# KiCad board rps01.kicad_pcb
title: Prototype Senior Design A; date: 2023-03-30; rev: 0
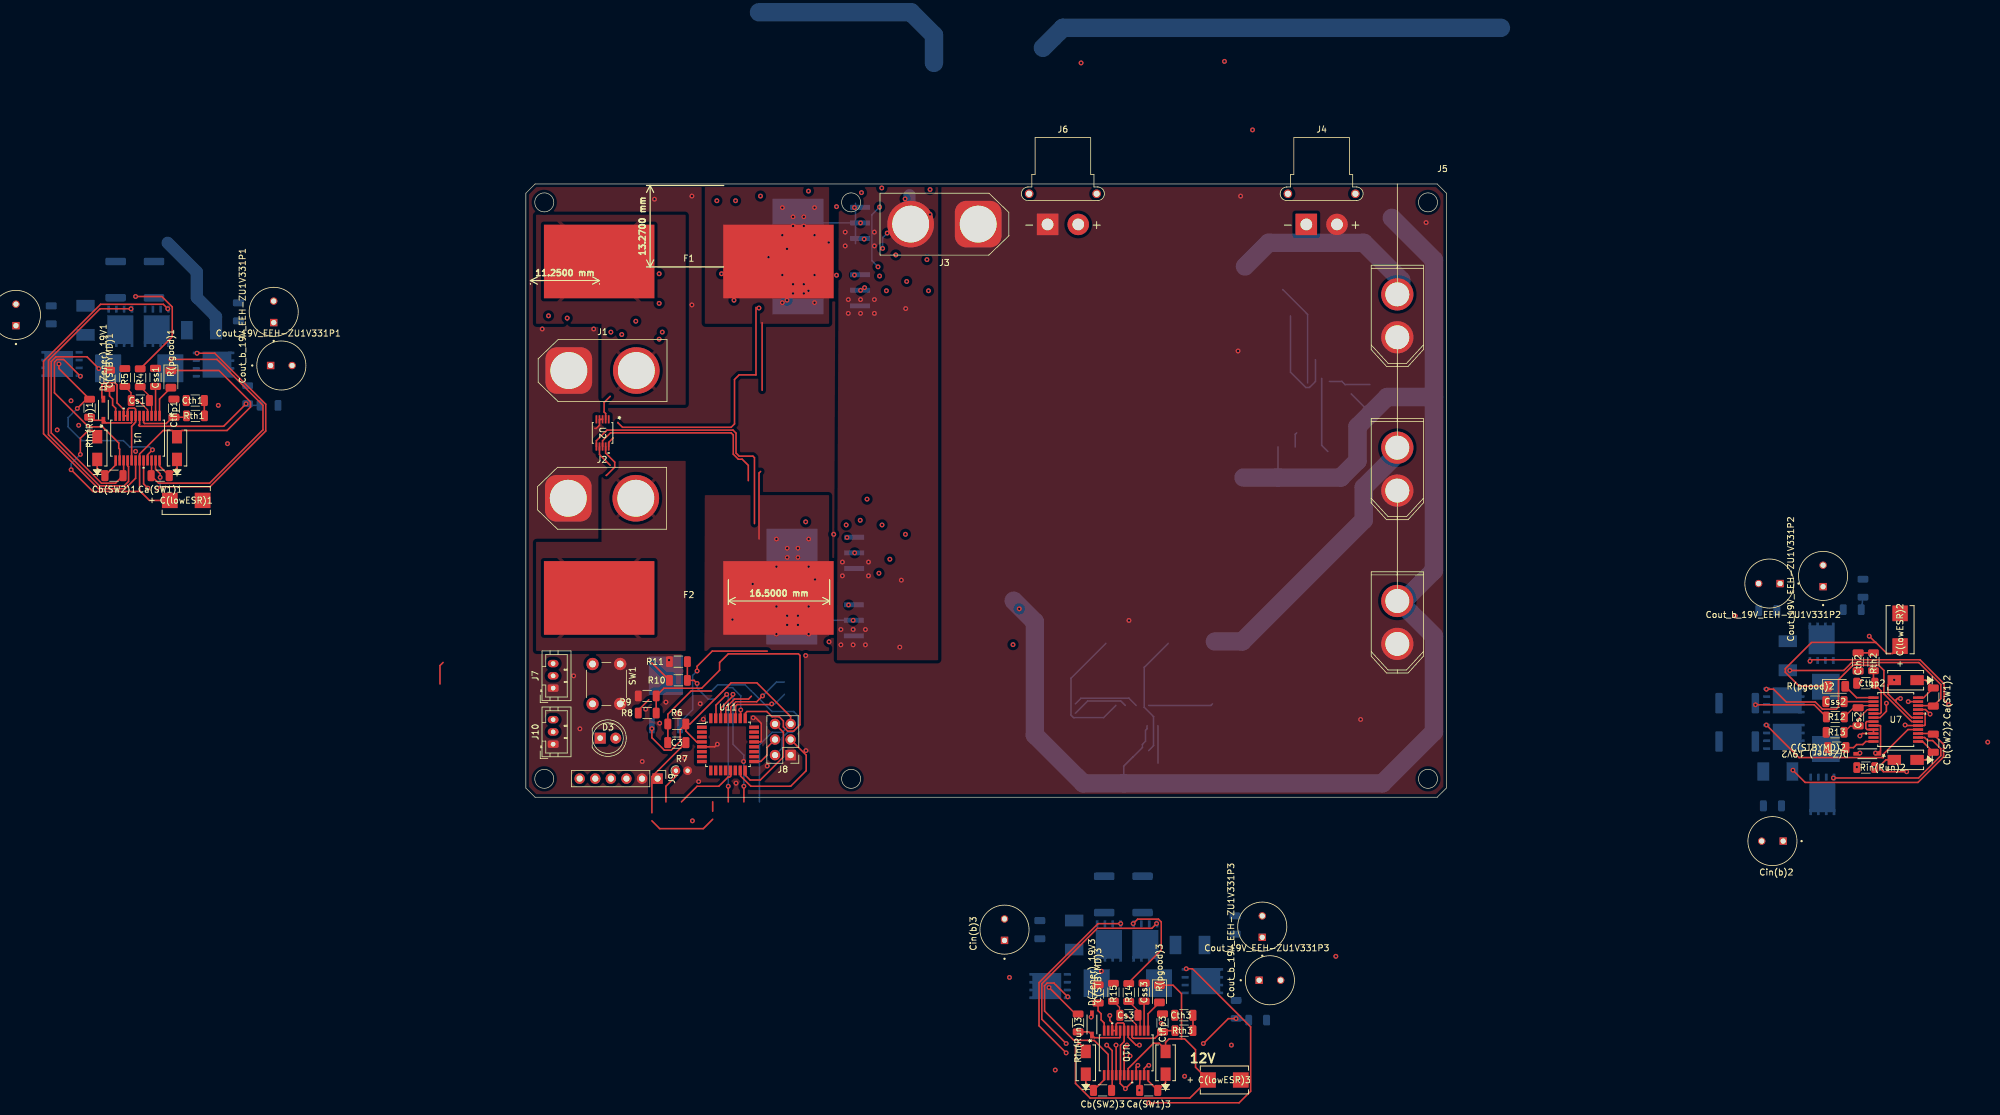
[diagram p0: board, top side]
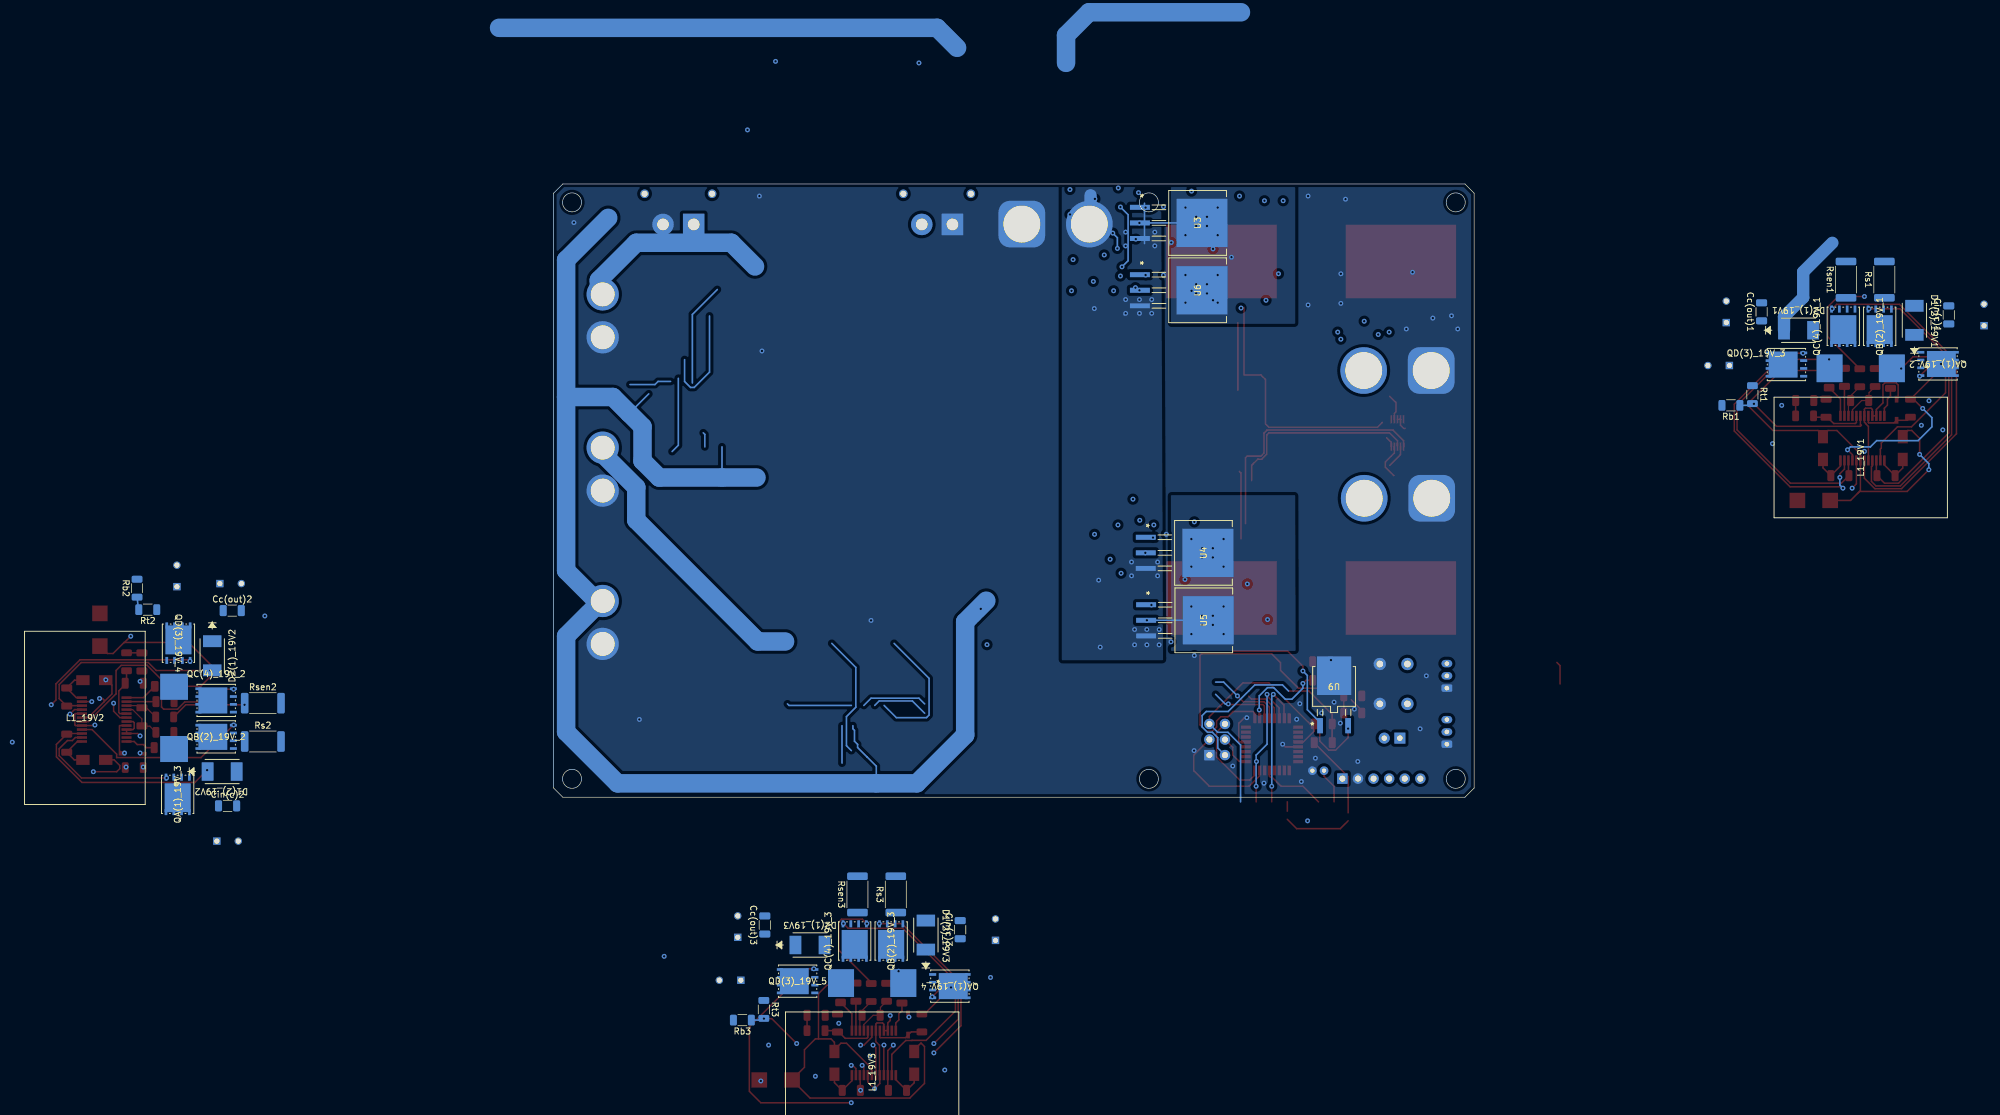
[diagram p1: board, bottom side, seen from below]

Outline 150 x 100 mm; copper layers: Top, Bottom. Coordinates in mm from the lower left corner of the outline.

## Placement (name value [footprint] x y rotation side)
C3  100nF  [C_1206_3216Metric]  24.6 8.9 0 top
C(lowESR)1  4.7u  [CAPMP7.6X4.3_3.1N_KEM]  -55.34 48.4 0 top
C(lowESR)2  4.7u  [CAPMP7.6X4.3_3.1N_KEM]  223.93 27.31 90 top
C(lowESR)3  4.7u  [CAPMP7.6X4.3_3.1N_KEM]  113.82 -46.11 0 top
C(STBYMD)1  0.001u  [C_1206_3216Metric]  -67.84 68.16 90 top
C(STBYMD)2  0.001u  [C_1206_3216Metric]  213.62 8.09 180 top
C(STBYMD)3  0.001u  [C_1206_3216Metric]  93.24 -32.08 90 top
Ca(SW1)1  0.22u  [C_1206_3216Metric]  -59.59 52.44 180 top
Ca(SW1)2  0.22u  [C_1206_3216Metric]  229.34 16.34 270 top
Ca(SW1)3  0.22u  [C_1206_3216Metric]  101.49 -47.81 180 top
Cb(SW2)1  0.22u  [C_1206_3216Metric]  -67.12 52.44 180 top
Cb(SW2)2  0.22u  [C_1206_3216Metric]  229.34 8.81 270 top
Cb(SW2)3  0.22u  [C_1206_3216Metric]  93.97 -47.81 180 top
Cc(out)1  47u  [C_1206_3216Metric]  -46.84 79.15 90 bottom
Cc(out)2  47u  [C_1206_3216Metric]  202.37 30.43 180 bottom
Cc(out)3  47u  [C_1206_3216Metric]  115.59 -20.83 90 bottom
Cin(b)1  270u  [LargeCAPSCAPPRD350W60D800H1200]  -83.09 78.65 90 top
Cin(b)2  270u  [LargeCAPSCAPPRD350W60D800H1200]  203.13 -7.16 180 top
Cin(b)3  270u  [LargeCAPSCAPPRD350W60D800H1200]  78 -21.6 90 top
Cin(c)1  10u  [C_1206_3216Metric]  -77.34 78.65 90 bottom
Cin(c)2  10u  [C_1206_3216Metric]  203.13 -1.41 180 bottom
Cin(c)3  10u  [C_1206_3216Metric]  83.75 -21.6 90 bottom
Cout_19V_EEH-ZU1V331P1  330u  [LargeCAPSCAPPRD350W60D800H1200]  -39.84 70.4 0 top
Cout_19V_EEH-ZU1V331P2  330u  [LargeCAPSCAPPRD350W60D800H1200]  211.38 36.09 90 top
Cout_19V_EEH-ZU1V331P3  330u  [LargeCAPSCAPPRD350W60D800H1200]  121.24 -29.85 0 top
Cout_b_19V_EEH-ZU1V331P1  330u  [LargeCAPSCAPPRD350W60D800H1200]  -41.09 79.15 90 top
Cout_b_19V_EEH-ZU1V331P2  330u  [LargeCAPSCAPPRD350W60D800H1200]  202.63 34.84 180 top
Cout_b_19V_EEH-ZU1V331P3  330u  [LargeCAPSCAPPRD350W60D800H1200]  120 -21.1 90 top
Cs1  100p  [C_1206_3216Metric]  -62.81 64.69 0 top
Cs2  100p  [C_1206_3216Metric]  217.09 13.11 90 top
Cs3  100p  [C_1206_3216Metric]  98.27 -35.56 0 top
Css1  0.001u  [C_1206_3216Metric]  -60.34 68.46 270 top
Css2  0.001u  [C_1206_3216Metric]  213.31 15.59 0 top
Css3  0.001u  [C_1206_3216Metric]  100.74 -31.78 270 top
Cth1  10000p  [C_1206_3216Metric]  -53.86 64.69 180 top
Cth2  10000p  [C_1206_3216Metric]  217.09 22.06 270 top
Cth3  10000p  [C_1206_3216Metric]  107.22 -35.56 180 top
Cthp1  47p  [C_1206_3216Metric]  -57.34 63.44 90 top
Cthp2  47p  [C_1206_3216Metric]  218.34 18.59 180 top
Cthp3  47p  [C_1206_3216Metric]  103.74 -36.81 90 top
D1(2)_19V1  SD2114S040S8R0  [SD2114_AVX]  -71.74 77.77 90 bottom
D1(2)_19V2  SD2114S040S8R0  [SD2114_AVX]  204.01 4.19 180 bottom
D1(2)_19V3  SD2114S040S8R0  [SD2114_AVX]  89.34 -22.48 90 bottom
D2(1)_19V1  SD2114S040S8R0  [SD2114_AVX]  -52.86 76.15 180 bottom
D2(1)_19V2  SD2114S040S8R0  [SD2114_AVX]  205.63 23.07 270 bottom
D2(1)_19V3  SD2114S040S8R0  [SD2114_AVX]  108.22 -24.1 180 bottom
D3  MCU_LED  [LED_D5.0mm]  12.11 9.64 0 top
D4_19V1  D_Schottky_B340AE-13  [CR_SMA_320-340AE_DIO]  -56.84 56.94 90 top
D4_19V2  D_Schottky_B340AE-13  [CR_SMA_320-340AE_DIO]  224.84 19.09 180 top
D4_19V3  D_Schottky_B340AE-13  [CR_SMA_320-340AE_DIO]  104.24 -43.31 90 top
D5_19V1  D_Schottky_B340AE-13  [CR_SMA_320-340AE_DIO]  -69.84 56.94 90 top
D5_19V2  D_Schottky_B340AE-13  [CR_SMA_320-340AE_DIO]  224.84 6.09 180 top
D5_19V3  D_Schottky_B340AE-13  [CR_SMA_320-340AE_DIO]  91.24 -43.31 90 top
D(Zener)_19V1  D_Zener_BZT52C4V7-13-F  [SOD123_DIO]  -68.84 63.19 90 top
D(Zener)_19V2  D_Zener_BZT52C4V7-13-F  [SOD123_DIO]  218.59 7.09 180 top
D(Zener)_19V3  D_Zener_BZT52C4V7-13-F  [SOD123_DIO]  92.24 -37.06 90 top
F1  -  [0PAL4100XP_NO_HOLES]  26.55 87.36 0 top
F2  -  [0PAL4100XP_NO_HOLES]  26.55 32.5 0 top
J1  XT90 IN BAT1  [AMASS_XT90-M_1x02_P11.00mm_Vertical]  7 69.58 0 top
J2  XT90 IN BAT2  [AMASS_XT90-M_1x02_P11.00mm_Vertical]  6.91 48.75 0 top
J3  XT90 ESC Output  [AMASS_XT90-F_1x02_P11.00mm_Vertical]  73.71 93.46 180 top
J4  XT30PW Out Orin  [AMASS_XT30PW-F_1x02_P2.50mm_Horizontal]  127.17 93.4 0 top
J5  3x XT60 Template  [V0_PC100_Power_Board_Ken]  0 100 0 top
J6  XT30PW Bat Out  [AMASS_XT30PW-F_1x02_P2.50mm_Horizontal]  85.01 93.4 0 top
J7  JST_PH_TEMP_SENSOR_DAT  [JST_PH_B3B-PH-K_1x03_P2.00mm_Vertical]  4.45 17.8 90 top
J8  MCU_ICSP_header  [PinHeader_2x03_P2.54mm_Vertical]  43.14 6.87 180 top
J9  MCU_prog_header  [PinHeader_1x06_P2.54mm_Vertical]  21.47 3.03 270 top
J10  JST_PH_MCU_I2C  [JST_PH_B3B-PH-K_1x03_P2.00mm_Vertical]  4.45 8.65 90 top
L1_19V1  6.8u Wurth 74436410680  [IND_410680_WRE]  -62.99 55.4 270 bottom
L1_19V2  10u Wurth  [IND_410680_WRE]  226.38 12.94 0 bottom
L1_19V3  10u Wurth  [IND_410680_WRE]  98.09 -44.85 270 bottom
QA(1)_19V_2  BSC009NE2LS5IATMA1  [PG-TDSON-8_INF_modified_ken]  -75.59 70.65 180 bottom
QA(1)_19V_3  BSC009NE2LS5IATMA1  [PG-TDSON-8_INF_modified_ken]  211.26 0.46 270 bottom
QA(1)_19V_4  BSC009NE2LS5IATMA1  [PG-TDSON-8_INF_modified_ken]  85.43 -30.8 180 bottom
QB(2)_19V_1  BSC009NE2LS5IATMA1  [PG-TDSON-8_INF_modified_ken]  -66.09 76.8 270 bottom
QB(2)_19V_2  BSC009NE2LS5IATMA1  [PG-TDSON-8_INF_modified_ken]  204.98 9.84 0 bottom
QB(2)_19V_3  BSC009NE2LS5IATMA1  [PG-TDSON-8_INF_modified_ken]  95 -23.45 270 bottom
QC(4)_19V_1  BSC009NE2LS5IATMA1  [PG-TDSON-8_INF_modified_ken]  -60.15 76.8 270 bottom
QC(4)_19V_2  BSC009NE2LS5IATMA1  [PG-TDSON-8_INF_modified_ken]  204.98 15.78 0 bottom
QC(4)_19V_3  BSC009NE2LS5IATMA1  [PG-TDSON-8_INF_modified_ken]  100.94 -23.45 270 bottom
QD(3)_19V_3  BSC009NE2LS5IATMA1  [PG-TDSON-8_INF_modified_ken]  -50.89 70.56 0 bottom
QD(3)_19V_4  BSC009NE2LS5IATMA1  [PG-TDSON-8_INF_modified_ken]  211.13 25.11 90 bottom
QD(3)_19V_5  BSC009NE2LS5IATMA1  [PG-TDSON-8_INF_modified_ken]  110.24 -30 0 bottom
R4  100  [R_1206_3216Metric]  -62.84 68.4 270 top
R5  100  [R_1206_3216Metric]  -65.34 68.44 90 top
R6  10K  [R_1206_3216Metric]  24.6 11.95 0 top
R7  1k  [R_Axial_DIN0204_L3.6mm_D1.6mm_P1.90mm_Vertical]  24.46 4.33 0 top
R8  1.2M  [R_1206_3216Metric]  19.78 13.73 0 top
R9  510K  [R_1206_3216Metric]  19.78 16.52 180 top
R10  1.2M  [R_1206_3216Metric]  24.86 19.06 0 top
R11  510K  [R_1206_3216Metric]  24.86 22.11 180 top
R12  100  [R_1206_3216Metric]  213.38 13.09 0 top
R13  100  [R_1206_3216Metric]  213.34 10.59 180 top
R14  100  [R_1206_3216Metric]  98.24 -31.85 270 top
R15  100  [R_1206_3216Metric]  95.74 -31.81 90 top
R(pgood)1  100k  [LED_1206_3216Metric]  -57.84 68.19 270 top
R(pgood)2  100k  [LED_1206_3216Metric]  213.59 18.09 0 top
R(pgood)3  100k  [LED_1206_3216Metric]  103.24 -32.06 270 top
Rb1  4.3K  [R_1206_3216Metric]  -41.84 63.9 0 bottom
Rb2  4.3K  [R_1206_3216Metric]  217.88 34.09 90 bottom
Rb3  4.3K  [R_1206_3216Metric]  119.24 -36.35 0 bottom
Rin(Run)1  51K  [R_1206_3216Metric]  -71.09 63.44 270 top
Rin(Run)2  51K  [R_1206_3216Metric]  218.34 4.84 0 top
Rin(Run)3  51K  [R_1206_3216Metric]  89.99 -36.81 270 top
Rs1  6m  [R_2512_6332Metric]  -66.84 84.4 90 bottom
Rs2  6m  [R_2512_6332Metric]  197.38 9.09 180 bottom
Rs3  6m  [R_2512_6332Metric]  94.24 -15.85 90 bottom
Rsen1  6m  [R_2512_6332Metric]  -60.59 84.4 90 bottom
Rsen2  6m  [R_2512_6332Metric]  197.38 15.34 180 bottom
Rsen3  6m  [R_2512_6332Metric]  100.49 -15.85 90 bottom
Rt1  100K  [R_1206_3216Metric]  -45.34 65.65 270 bottom
Rt2  100K  [R_1206_3216Metric]  216.13 30.59 0 bottom
Rt3  100K  [R_1206_3216Metric]  115.74 -34.6 270 bottom
Rth1  124K  [R_1206_3216Metric]  -53.84 62.19 180 top
Rth2  124K  [R_1206_3216Metric]  219.59 22.09 270 top
Rth3  124K  [R_1206_3216Metric]  107.24 -38.06 180 top
SW1  MCU_Button  [SW_PUSH_6mm]  15.37 21.72 270 top
U1  LTC3780EG-TRPBF  [LTC3780_SSOP-24_G_LIT]  -63.26 58.56 270 top
U2  LTC4416EMS-1-TRPBF  [LTC4416_MSOP-10_MS_LIT]  12.5 59.4 270 top
U3  NP100P04PLG-E1-AY  [LTC3780_PRSS0004AL-A_REN]  45.06 93.65 270 bottom
U4  NP100P04PLG-E1-AY  [LTC3780_PRSS0004AL-A_REN]  44.1 39.85 270 bottom
U5  NP100P04PLG-E1-AY  [LTC3780_PRSS0004AL-A_REN]  44.05 28.85 270 bottom
U6  NP100P04PLG-E1-AY  [LTC3780_PRSS0004AL-A_REN]  45.06 82.67 270 bottom
U7  LTC3780EG-TRPBF  [LTC3780_SSOP-24_G_LIT]  223.22 12.66 0 top
U9  L78M05CDT-TR 5V Reg  [5V_REGULATOR_DPAK_STM]  22.82 18.06 180 bottom
U10  LTC3780EG-TRPBF  [LTC3780_SSOP-24_G_LIT]  97.82 -41.69 270 top
U11  ATmega328P-A  [TQFP-32_7x7mm_P0.8mm]  32.94 8.62 0 top

## Library data of the parts
C3 = -: Description: Unpolarized capacitor, small symbol
C(lowESR)1-C(lowESR)3 C(STBYMD)1-C(STBYMD)3 Ca(SW1)1-Ca(SW1)3 Cb(SW2)1-Cb(SW2)3 Cc(out)1-Cc(out)3 Cin(b)1-Cin(b)3 Cin(c)1-Cin(c)3 Cout_19V_EEH-ZU1V331P1-Cout_19V_EEH-ZU1V331P3 Cs1-Cs3 Css1-Css3 Cth1-Cth3 Cthp1-Cthp3 = -: Description: Unpolarized capacitor
Cout_b_19V_EEH-ZU1V331P1-Cout_b_19V_EEH-ZU1V331P3 = -: Description: Polarized capacitor
D3 = -: Description: Light emitting diode
D4_19V1-D4_19V3 D5_19V1-D5_19V3 = -: Description: Schottky diode
D(Zener)_19V1-D(Zener)_19V3 = -: Description: Zener diode
J1-J4 J6 = -: Description: Generic connector, single row, 01x02, script generated
J5 J9 = -: Description: Generic connector, single row, 01x06, script generated
J7 J10 = -: Description: Generic connector, single row, 01x03, script generated
J8 = -: Description: Generic connector, double row, 02x03, counter clockwise pin numbering scheme (similar to DIP package numbering), script generated (kicad-library-utils/schlib/autogen/connector/)
L1_19V1-L1_19V3 = -: Description: Inductor
R4-R7 R12-R15 R(pgood)1-R(pgood)3 Rb1-Rb3 Rin(Run)1-Rin(Run)3 Rs1-Rs3 Rsen1-Rsen3 Rt1-Rt3 Rth1-Rth3 = -: Description: Resistor
R8-R11 = -: Description: Resistor, small symbol
SW1 = -: Description: Push button switch, push-to-open, generic, two pins
U11 = -: Description: 20MHz, 32kB Flash, 2kB SRAM, 1kB EEPROM, TQFP-32

## Footprints (pads in the part's own frame, mm; a bottom-side part is the same pattern mirrored in y, then rotated)
0PAL4100XP_NO_HOLES
  rect 18x12 smd: 1(-14.605,0) 2(14.605,0)
5V_REGULATOR_DPAK_STM
  rect 0.94x2.489 smd: 1(-2.286,-6.388) 2(2.286,-6.388)
  rect 5.563x6.299 smd: 3(0,1.765)
AMASS_XT30PW-F_1x02_P2.50mm_Horizontal
  round 1.4 hole 1: (-3,5) (8,5)
  rect 3.5x3.5 hole 1.9: 1(0,0)
  round 3.5 hole 1.9: 2(5,0)
AMASS_XT90-F_1x02_P11.00mm_Vertical
  rrect 7.6x7.6 hole 6: 1(0,0)
  round 7.6 hole 6: 2(11,0)
AMASS_XT90-M_1x02_P11.00mm_Vertical
  rrect 7.6x7.6 hole 6: 1(0,0)
  round 7.6 hole 6: 2(11,0)
C_1206_3216Metric
  rrect 1.15x1.8 smd: 1(-1.475,0) 2(1.475,0)
CAPMP7.6X4.3_3.1N_KEM
  rect 2.56x2.5 smd: 1(-2.672,0) 2(2.672,0)
CR_SMA_320-340AE_DIO
  rect 2.184x1.626 smd: 1(-1.854,0) 2(1.854,0)
IND_410680_WRE
  rect 4.521x4.242 smd: 1(-14.541,5.075) 2(-14.541,-5.075)
JST_PH_B3B-PH-K_1x03_P2.00mm_Vertical
  rrect 1.2x1.75 hole 0.75: 1(0,0)
  oval 1.2x1.75 hole 0.75: 2(2,0) 3(4,0)
LargeCAPSCAPPRD350W60D800H1200
  rect 1.2x1.2 hole 0.85: 1(-1.75,0)
  round 1.2 hole 0.85: 2(1.75,0)
LED_1206_3216Metric
  rrect 1.25x1.75 smd: 1(-1.4,0) 2(1.4,0)
LED_D5.0mm
  rect 1.8x1.8 hole 0.9: 1(0,0)
  round 1.8 hole 0.9: 2(2.54,0)
LTC3780_PRSS0004AL-A_REN
  rect 0.813x3.251 smd: 1(-2.54,-9.398) 2(0,-9.398) 3(2.54,-9.398)
  rect 7.874x8.306 smd: 4(0,0.724)
LTC3780_SSOP-24_G_LIT
  rect 1.651x0.432 smd: 1(-3.632,3.576) 2(-3.632,2.926) 3(-3.632,2.276) 4(-3.632,1.626) 5(-3.632,0.975) 6(-3.632,0.325) 7(-3.632,-0.325) 8(-3.632,-0.975) 9(-3.632,-1.626) 10(-3.632,-2.276) 11(-3.632,-2.926) 12(-3.632,-3.576) 13(3.632,-3.576) 14(3.632,-2.926) 15(3.632,-2.276) 16(3.632,-1.626) 17(3.632,-0.975) 18(3.632,-0.325) 19(3.632,0.325) 20(3.632,0.975) 21(3.632,1.626) 22(3.632,2.276) 23(3.632,2.926) 24(3.632,3.576)
LTC4416_MSOP-10_MS_LIT
  rect 1.333x0.279 smd: 1(-2.216,1.001) 2(-2.216,0.5) 3(-2.216,0) 4(-2.216,-0.5) 5(-2.216,-1.001) 6(2.216,-1.001) 7(2.216,-0.5) 8(2.216,0) 9(2.216,0.5) 10(2.216,1.001)
PG-TDSON-8_INF_modified_ken
  rect 1.143x0.432 smd: 1(-2.807,1.905) 2(-2.807,0.635) 3(-2.807,-0.635) 4(-2.807,-1.905)
  rect 0.965x0.432 smd: 5(2.896,-1.905) 6(2.896,-0.635) 7(2.896,0.635) 8(2.896,1.905)
  rect 4.701x4.242 smd: 8(0.545,0)
PinHeader_1x06_P2.54mm_Vertical
  rect 1.7x1.7 hole 1: 1(0,0)
  oval 1.7x1.7 hole 1: 2(0,-2.54) 3(0,-5.08) 4(0,-7.62) 5(0,-10.16) 6(0,-12.7)
PinHeader_2x03_P2.54mm_Vertical
  rect 1.7x1.7 hole 1: 1(0,0)
  oval 1.7x1.7 hole 1: 2(2.54,0) 3(0,-2.54) 4(2.54,-2.54) 5(0,-5.08) 6(2.54,-5.08)
R_1206_3216Metric
  rrect 1.125x1.75 smd: 1(-1.462,0) 2(1.462,0)
R_2512_6332Metric
  rrect 1.225x3.35 smd: 1(-2.962,0) 2(2.962,0)
R_Axial_DIN0204_L3.6mm_D1.6mm_P1.90mm_Vertical
  round 1.4 hole 0.7: 1(0,0)
  oval 1.4x1.4 hole 0.7: 2(1.9,0)
SD2114_AVX
  rect 1.918x2.997 smd: 1(-2.369,0) 2(2.369,0)
SOD123_DIO
  rect 1.111x0.601 smd: 1(-1.725,0) 2(1.725,0)
SW_PUSH_6mm
  round 2 hole 1.1: 1(0,0) 1(6.5,0) 2(0,-4.5) 2(6.5,-4.5)
TQFP-32_7x7mm_P0.8mm
  rect 1.6x0.55 smd: 1(-4.25,2.8) 2(-4.25,2) 3(-4.25,1.2) 4(-4.25,0.4) 5(-4.25,-0.4) 6(-4.25,-1.2) 7(-4.25,-2) 8(-4.25,-2.8) 17(4.25,-2.8) 18(4.25,-2) 19(4.25,-1.2) 20(4.25,-0.4) 21(4.25,0.4) 22(4.25,1.2) 23(4.25,2) 24(4.25,2.8)
  rect 0.55x1.6 smd: 9(-2.8,-4.25) 10(-2,-4.25) 11(-1.2,-4.25) 12(-0.4,-4.25) 13(0.4,-4.25) 14(1.2,-4.25) 15(2,-4.25) 16(2.8,-4.25) 25(2.8,4.25) 26(2,4.25) 27(1.2,4.25) 28(0.4,4.25) 29(-0.4,4.25) 30(-1.2,4.25) 31(-2,4.25) 32(-2.8,4.25)
V0_PC100_Power_Board_Ken
  round 5.25 hole 3.9: 1(142,-25) 2(142,-18) 3(142,-50) 4(142,-43) 5(142,-75) 6(142,-68)
